# Altium PCB SONDE_2.PcbDoc (part 5 of 10)
Units mil, origin at the board's own origin, x right, y up, seen from the top; angles counter-clockwise.
Board outline 10236.22 x 6701.71 mil, 4 copper layers (Top Layer, GND, Internal Plane 2, Bottom Layer), stack 30.9 mil thick; 1794 components, 936 nets, 4747 pads, 493 vias.
Unrouted connection lines stored in the file: 1122.
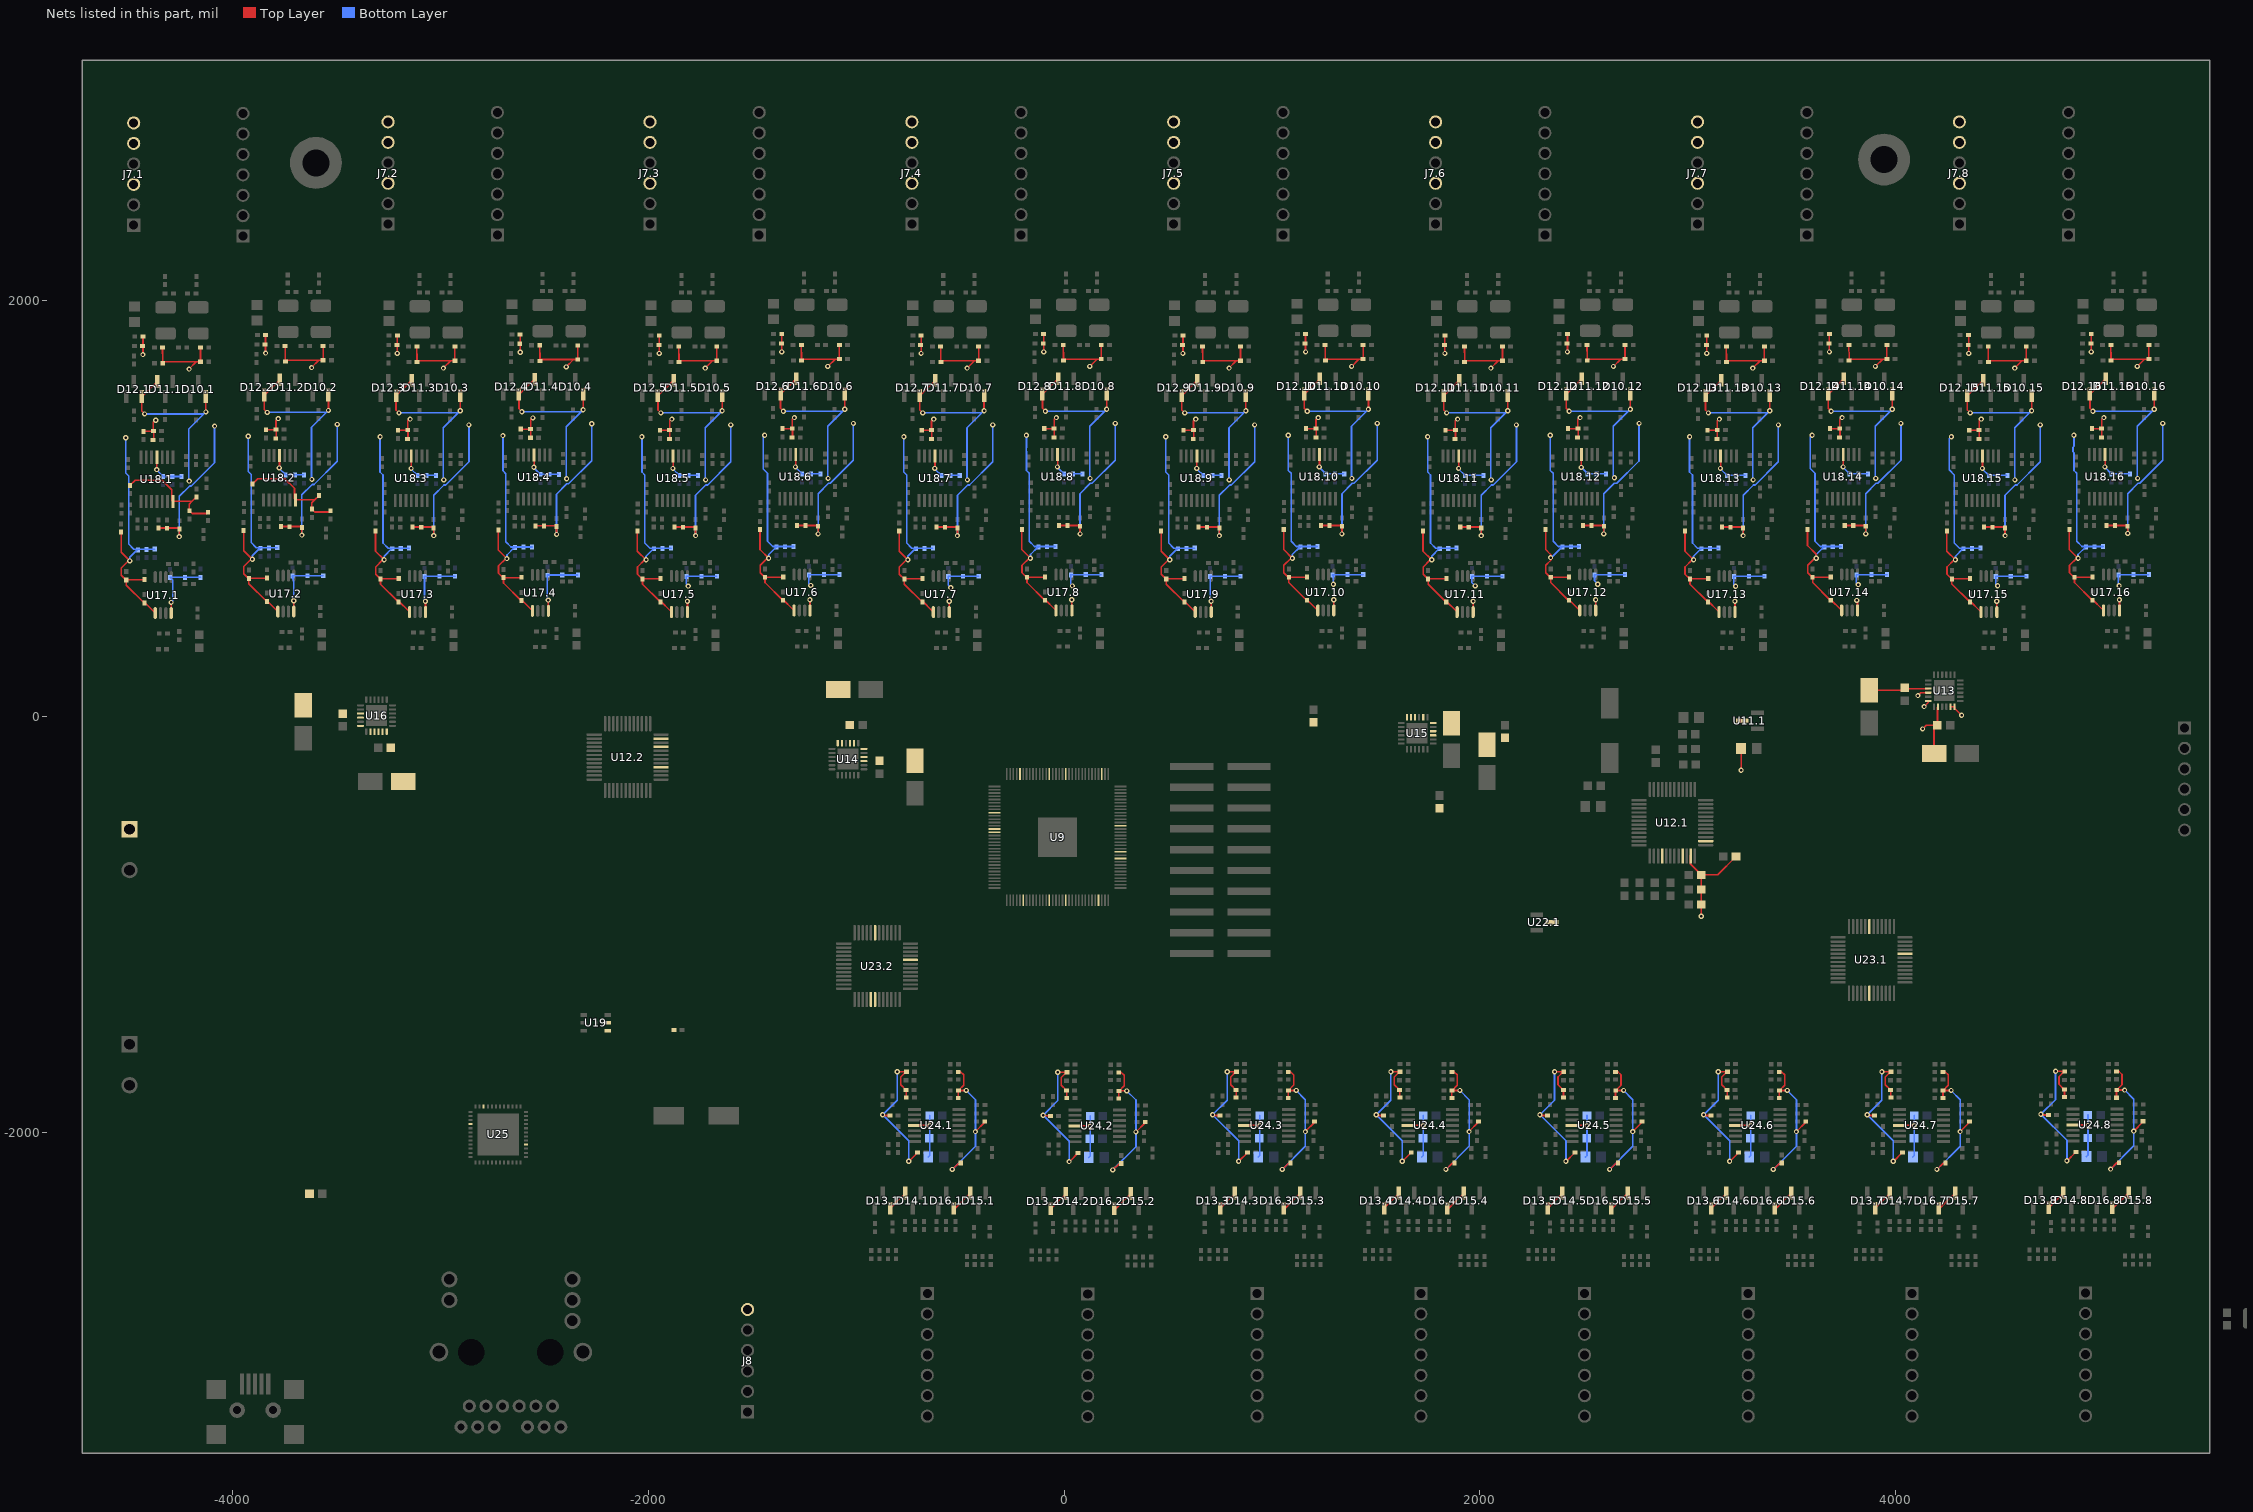
[diagram p7: the nets of this part, all layers, seen from the top]

## Via types
v1: diameter 25, hole 12, Top Layer to Bottom Layer, 493 vias

## Nets (pads, with @x,y where several pads share a name; then routed paths per layer and width w, separated by ;. In a path a pad name is that pad's centre, name@x,y a point inside that pad or via, vN(x,y) a via of type N, cw(c..) or ccw(c..) an arc to the next point about the centre after c; other vN are vias at no path point) (continued)
+2V5: C11.1 C13.2 C63.1.2 C63.2.2 C63.3.2 C63.4.2 C63.5.2 C63.6.2 C63.7.2 C63.8.2 C63.9.2 C63.10.2 C63.11.2 C63.12.2 C63.13.2 C63.14.2 C63.15.2 C63.16.2 C65.1.2 C65.2.2 C65.3.2 C65.4.2 C65.5.2 C65.6.2 C65.7.2 C65.8.2 C65.9.2 C65.10.2 C65.11.2 C65.12.2 C65.13.2 C65.14.2 C65.15.2 C65.16.2 C73.1.1 C73.2.1 C73.3.1 C73.4.1 C73.5.1 C73.6.1 C73.7.1 C73.8.1 C73.9.1 C73.10.1 C73.11.1 C73.12.1 C73.13.1 C73.14.1 C73.15.1 C73.16.1 C74.1.2 C74.2.2 C74.3.2 C74.4.2 C74.5.2 C74.6.2 C74.7.2 C74.8.2 C74.9.2 C74.10.2 C74.11.2 C74.12.2 C74.13.2 C74.14.2 C74.15.2 C74.16.2 C76.1.1 C76.2.1 C76.3.1 C76.4.1 C76.5.1 C76.6.1 C76.7.1 C76.8.1 C76.9.1 C76.10.1 C76.11.1 C76.12.1 C76.13.1 C76.14.1 C76.15.1 C76.16.1 C77.1.1 C77.2.1 C77.3.1 C77.4.1 C77.5.1 C77.6.1 C77.7.1 C77.8.1 C77.9.1 C77.10.1 C77.11.1 C77.12.1 C77.13.1 C77.14.1 C77.15.1 C77.16.1 C78.1.1 C78.2.1 C78.3.1 C78.4.1 C78.5.1 C78.6.1 C78.7.1 C78.8.1 C78.9.1 C78.10.1 C78.11.1 C78.12.1 C78.13.1 C78.14.1 C78.15.1 C78.16.1 C81.1.1 C81.2.1 C81.3.1 C81.4.1 C81.5.1 C81.6.1 C81.7.1 C81.8.1 C81.9.1 C81.10.1 C81.11.1 C81.12.1 C81.13.1 C81.14.1 C81.15.1 C81.16.1 C84.1.2 C84.2.2 C84.3.2 C84.4.2 C84.5.2 C84.6.2 C84.7.2 C84.8.2 C84.9.2 C84.10.2 C84.11.2 C84.12.2 C84.13.2 C84.14.2 C84.15.2 C84.16.2 C140.1.2 C140.2.2 C140.3.2 C140.4.2 C140.5.2 C140.6.2 C140.7.2 C140.8.2 C147.1.2 C147.2.2 C147.3.2 C147.4.2 C147.5.2 C147.6.2 C147.7.2 C147.8.2 R34.1.1 R34.2.1 R34.3.1 R34.4.1 R34.5.1 R34.6.1 R34.7.1 R34.8.1 R34.9.1 R34.10.1 R34.11.1 R34.12.1 R34.13.1 R34.14.1 R34.15.1 R34.16.1 R38.1.2 R38.2.2 R38.3.2 R38.4.2 R38.5.2 R38.6.2 R38.7.2 R38.8.2 R38.9.2 R38.10.2 R38.11.2 R38.12.2 R38.13.2 R38.14.2 R38.15.2 R38.16.2 R41.1.1 R41.2.1 R41.3.1 R41.4.1 R41.5.1 R41.6.1 R41.7.1 R41.8.1 R41.9.1 R41.10.1 R41.11.1 R41.12.1 R41.13.1 R41.14.1 R41.15.1 R41.16.1 R42.1.1 R42.2.1 R42.3.1 R42.4.1 R42.5.1 R42.6.1 R42.7.1 R42.8.1 R42.9.1 R42.10.1 R42.11.1 R42.12.1 R42.13.1 R42.14.1 R42.15.1 R42.16.1 R48.1.2 R48.2.2 R48.3.2 R48.4.2 R48.5.2 R48.6.2 R48.7.2 R48.8.2 R48.9.2 R48.10.2 R48.11.2 R48.12.2 R48.13.2 R48.14.2 R48.15.2 R48.16.2 R49.1.2 R49.2.2 R49.3.2 R49.4.2 R49.5.2 R49.6.2 R49.7.2 R49.8.2 R49.9.2 R49.10.2 R49.11.2 R49.12.2 R49.13.2 R49.14.2 R49.15.2 R49.16.2 R55.1.1 R55.2.1 R55.3.1 R55.4.1 R55.5.1 R55.6.1 R55.7.1 R55.8.1 R55.9.1 R55.10.1 R55.11.1 R55.12.1 R55.13.1 R55.14.1 R55.15.1 R55.16.1 R56.1.2 R56.2.2 R56.3.2 R56.4.2 R56.5.2 R56.6.2 R56.7.2 R56.8.2 R56.9.2 R56.10.2 R56.11.2 R56.12.2 R56.13.2 R56.14.2 R56.15.2 R56.16.2 R59.1.2 R59.2.2 R59.3.2 R59.4.2 R59.5.2 R59.6.2 R59.7.2 R59.8.2 R59.9.2 R59.10.2 R59.11.2 R59.12.2 R59.13.2 R59.14.2 R59.15.2 R59.16.2 R62.1.1 R62.2.1 R62.3.1 R62.4.1 R62.5.1 R62.6.1 R62.7.1 R62.8.1 R62.9.1 R62.10.1 R62.11.1 R62.12.1 R62.13.1 R62.14.1 R62.15.1 R62.16.1 R84.1.2 R84.2.2 R84.3.2 R84.4.2 R84.5.2 R84.6.2 R84.7.2 R84.8.2 R88.1.1 R88.2.1 R88.3.1 R88.4.1 R88.5.1 R88.6.1 R88.7.1 R88.8.1 R89.1.1 R89.2.1 R89.3.1 R89.4.1 R89.5.1 R89.6.1 R89.7.1 R89.8.1 R94.1.2 R94.2.2 R94.3.2 R94.4.2 R94.5.2 R94.6.2 R94.7.2 R94.8.2 R98.1.2 R98.2.2 R98.3.2 R98.4.2 R98.5.2 R98.6.2 R98.7.2 R98.8.2 R102.1.1 R102.2.1 R102.3.1 R102.4.1 R102.5.1 R102.6.1 R102.7.1 R102.8.1 R103.1.1 R103.2.1 R103.3.1 R103.4.1 R103.5.1 R103.6.1 R103.7.1 R103.8.1 R108.1.2 R108.2.2 R108.3.2 R108.4.2 R108.5.2 R108.6.2 R108.7.2 R108.8.2 R129.2 R131.2 R132.2 R134.2 TP11.1 TP11.2 U5.1 U17.1.5 U17.2.5 U17.3.5 U17.4.5 U17.5.5 U17.6.5 U17.7.5 U17.8.5 U17.9.5 U17.10.5 U17.11.5 U17.12.5 U17.13.5 U17.14.5 U17.15.5 U17.16.5 | length 55214.1
  Top Layer w8: R41.1.1@-4536.55,887.35 -4536.55,791 v1(-4494.91,749.36) -4501.37,749.36 -4535.84,714.89 -4535.84,679.67 -4514.08,657.91 R34.1.1@-4512,657.91 ; v1(-4431.45,1741.76) C84.1.2@-4431.45,1828.03 ; R42.1.1@-4429.03,554.72 U17.1.5@-4372.41,498.1 ; R55.1.1@-4428.55,1372.46 -4382.55,1372.46 R48.1.2@-4381.24,1373.78 ; R42.1.1@-4424.84,547.23 -4426.92,547.23 -4512,632.31 R34.1.1@-4512,657.91 ; C63.1.2@-4424.55,659.72 -4426.36,657.91 R34.1.1@-4512,657.91 ; C73.1.1@-4380.24,1332.78 -4380.24,1372.78 R48.1.2@-4381.24,1373.78 ; v1(-4370.44,1426.03) -4373.3,1426.03 -4381.24,1418.09 R48.1.2@-4381.24,1373.78 ; R62.1.1@-4357.55,907.03 R56.1.2@-4260.55,907.03 ; C74.1.2@-4337.36,1776.03 -4336.43,1708.55 -4337.1,1709.21 R49.1.2@-4336.31,1699.91 -4329.19,1707.03 -4174.88,1707.03 ; v1(-4256.55,866.03) R56.1.2@-4256.55,903.03 ; v1(-4210,1671.91) -4174.88,1707.03 ; C65.1.2@-4154.53,1775.04 R38.1.2@-4154.53,1707.03 -4174.88,1707.03 ; R41.2.1@-3946.88,894.82 -3946.88,798.48 v1(-3905.24,756.84) -3911.7,756.84 -3946.17,722.37 -3946.17,687.15 -3924.41,665.39 R34.2.1@-3922.33,665.39 ; v1(-3841.78,1749.23) C84.2.2@-3841.78,1835.51 ; R42.2.1@-3839.35,562.2 U17.2.5@-3782.74,505.58 ; R55.2.1@-3838.88,1379.94 -3792.88,1379.94 R48.2.2@-3791.57,1381.25 ; R42.2.1@-3835.16,554.7 -3837.25,554.7 -3922.33,639.78 R34.2.1@-3922.33,665.39 ; C63.2.2@-3834.88,667.2 -3836.69,665.39 R34.2.1@-3922.33,665.39 ; C73.2.1@-3790.57,1340.25 -3790.57,1380.25 R48.2.2@-3791.57,1381.25 ; v1(-3780.77,1433.51) -3783.63,1433.51 -3791.57,1425.57 R48.2.2@-3791.57,1381.25 ; R62.2.1@-3767.88,914.51 R56.2.2@-3670.88,914.51 ; C74.2.2@-3747.69,1783.51 -3746.76,1716.02 -3747.43,1716.69 R49.2.2@-3746.64,1707.39 -3739.52,1714.51 -3585.21,1714.51 ; v1(-3666.88,873.51) R56.2.2@-3666.88,910.51 ; v1(-3620.33,1679.39) -3585.21,1714.51 ; C65.2.2@-3564.85,1782.52 R38.2.2@-3564.85,1714.51 -3585.21,1714.51 ; R41.3.1@-3312.97,892.49 -3312.97,796.14 v1(-3271.33,754.5) -3277.79,754.5 -3312.26,720.03 -3312.26,684.81 -3290.5,663.05 R34.3.1@-3288.42,663.05 ; v1(-3207.87,1746.9) C84.3.2@-3207.87,1833.17 ; R42.3.1@-3205.44,559.86 U17.3.5@-3148.83,503.24 ; R55.3.1@-3204.97,1377.6 -3158.97,1377.6 R48.3.2@-3157.66,1378.92 ; R42.3.1@-3201.25,552.36 -3203.34,552.36 -3288.42,637.45 R34.3.1@-3288.42,663.05 ; C63.3.2@-3200.97,664.86 -3202.78,663.05 R34.3.1@-3288.42,663.05 ; C73.3.1@-3156.66,1337.92 -3156.66,1377.92 R48.3.2@-3157.66,1378.92 ; v1(-3146.86,1431.17) -3149.72,1431.17 -3157.66,1423.23 R48.3.2@-3157.66,1378.92 ; R62.3.1@-3133.97,912.17 R56.3.2@-3036.97,912.17 ; C74.3.2@-3113.78,1781.17 -3112.85,1713.69 -3113.52,1714.35 R49.3.2@-3112.73,1705.05 -3105.61,1712.17 -2951.3,1712.17 ; v1(-3032.97,871.17) R56.3.2@-3032.97,908.17 ; v1(-2986.42,1677.05) -2951.3,1712.17 ; C65.3.2@-2930.94,1780.18 R38.3.2@-2930.94,1712.17 -2951.3,1712.17 ; R41.4.1@-2721.94,898.08 -2721.94,801.73 v1(-2680.3,760.09) -2686.76,760.09 -2721.23,725.62 -2721.23,690.4 -2699.47,668.64 R34.4.1@-2697.39,668.64 ; v1(-2616.83,1752.49) C84.4.2@-2616.83,1838.76 ; R42.4.1@-2614.41,565.45 U17.4.5@-2557.8,508.83 ; R55.4.1@-2613.94,1383.19 -2567.94,1383.19 R48.4.2@-2566.63,1384.51 ; R42.4.1@-2610.22,557.96 -2612.31,557.96 -2697.39,643.04 R34.4.1@-2697.39,668.64 ; C63.4.2@-2609.94,670.45 -2611.75,668.64 R34.4.1@-2697.39,668.64 ; C73.4.1@-2565.63,1343.51 -2565.63,1383.51 R48.4.2@-2566.63,1384.51 ; v1(-2555.83,1436.76) -2558.68,1436.76 -2566.63,1428.82 R48.4.2@-2566.63,1384.51 ; R62.4.1@-2542.94,917.76 R56.4.2@-2445.94,917.76 ; C74.4.2@-2522.75,1786.76 -2521.82,1719.28 -2522.48,1719.94 R49.4.2@-2521.7,1710.64 -2514.58,1717.76 -2360.26,1717.76 ; v1(-2441.94,876.76) R56.4.2@-2441.94,913.76 ; v1(-2395.39,1682.64) -2360.26,1717.76 ; C65.4.2@-2339.91,1785.77 R38.4.2@-2339.91,1717.76 -2360.26,1717.76 ; R41.5.1@-2053.13,892.49 -2053.13,796.14 v1(-2011.49,754.5) -2017.95,754.5 -2052.42,720.03 -2052.42,684.81 -2030.66,663.05 R34.5.1@-2028.58,663.05 ; v1(-1948.02,1746.9) C84.5.2@-1948.02,1833.17 ; R42.5.1@-1945.6,559.86 U17.5.5@-1888.99,503.24 ; R55.5.1@-1945.13,1377.6 -1899.13,1377.6 R48.5.2@-1897.82,1378.92 ; R42.5.1@-1941.41,552.36 -1943.49,552.36 -2028.58,637.45 R34.5.1@-2028.58,663.05 ; C63.5.2@-1941.13,664.86 -1942.94,663.05 R34.5.1@-2028.58,663.05 ; C73.5.1@-1896.82,1337.92 -1896.82,1377.92 R48.5.2@-1897.82,1378.92 ; v1(-1887.02,1431.17) -1889.87,1431.17 -1897.82,1423.23 R48.5.2@-1897.82,1378.92 ; R62.5.1@-1874.13,912.17 R56.5.2@-1777.13,912.17 ; C74.5.2@-1853.94,1781.17 -1853.01,1713.69 -1853.67,1714.35 R49.5.2@-1852.89,1705.05 -1845.77,1712.17 -1691.45,1712.17 ; v1(-1773.13,871.17) R56.5.2@-1773.13,908.17 ; v1(-1726.58,1677.05) -1691.45,1712.17 ; C65.5.2@-1671.1,1780.18 R38.5.2@-1671.1,1712.17 -1691.45,1712.17 ; R41.6.1@-1463.46,899.96 -1463.46,803.61 v1(-1421.82,761.97) -1428.28,761.97 -1462.75,727.51 -1462.75,692.29 -1440.99,670.53 R34.6.1@-1438.9,670.53 ; v1(-1358.35,1754.37) C84.6.2@-1358.35,1840.65 ; R42.6.1@-1355.93,567.33 U17.6.5@-1299.32,510.72 ; R55.6.1@-1355.46,1385.08 -1309.46,1385.08 R48.6.2@-1308.14,1386.39 ; R42.6.1@-1351.74,559.84 -1353.82,559.84 -1438.9,644.92 R34.6.1@-1438.9,670.53 ; C63.6.2@-1351.46,672.33 -1353.26,670.53 R34.6.1@-1438.9,670.53 ; C73.6.1@-1307.14,1345.39 -1307.14,1385.39 R48.6.2@-1308.14,1386.39 ; v1(-1297.35,1438.65) -1300.2,1438.65 -1308.14,1430.71 R48.6.2@-1308.14,1386.39 ; R62.6.1@-1284.46,919.65 R56.6.2@-1187.46,919.65 ; C74.6.2@-1264.26,1788.65 -1263.34,1721.16 -1264,1721.83 R49.6.2@-1263.22,1712.53 -1256.1,1719.65 -1101.78,1719.65 ; v1(-1183.46,878.65) R56.6.2@-1183.46,915.65 ; v1(-1136.9,1684.53) -1101.78,1719.65 ; C65.6.2@-1081.43,1787.66 R38.6.2@-1081.43,1719.65 -1101.78,1719.65 ; v1(-873.39,-1915.28) -870.21,-1918.46 R84.1.2@-837.76,-1918.46 ; v1(-803.08,-1708.46) R88.1.1@-761.22,-1708.46 ; R41.7.1@-793.29,892.49 -793.29,796.14 v1(-751.65,754.5) -758.11,754.5 -792.58,720.03 -792.58,684.81 -770.82,663.05 R34.7.1@-768.73,663.05 ; R89.1.1@-759.76,-1832.46 -759.76,-1797.46 C140.1.2@-760.76,-1796.46 -786.57,-1770.65 -786.57,-1733.82 R88.1.1@-761.22,-1708.46 ; R88.1.1@-758.76,-1708.46 R88.1.1@-761.22,-1708.46 ; v1(-748.08,-2138.46) -746.79,-2138.46 R94.1.2@-704.76,-2096.43 ; v1(-688.18,1746.9) C84.7.2@-688.18,1833.17 ; R42.7.1@-685.76,559.86 U17.7.5@-629.14,503.24 ; R55.7.1@-685.29,1377.6 -639.29,1377.6 R48.7.2@-637.97,1378.92 ; R42.7.1@-681.57,552.36 -683.65,552.36 -768.73,637.45 R34.7.1@-768.73,663.05 ; C63.7.2@-681.29,664.86 -683.09,663.05 R34.7.1@-768.73,663.05 ; C73.7.1@-636.97,1337.92 -636.97,1377.92 R48.7.2@-637.97,1378.92 ; v1(-627.18,1431.17) -630.03,1431.17 -637.97,1423.23 R48.7.2@-637.97,1378.92 ; R62.7.1@-614.29,912.17 R56.7.2@-517.29,912.17 ; C74.7.2@-594.09,1781.17 -593.17,1713.69 -593.83,1714.35 R49.7.2@-593.05,1705.05 -585.93,1712.17 -431.61,1712.17 ; v1(-538.08,-2178.46) -507.76,-2148.15 R108.1.2@-497.51,-2148.15 ; v1(-513.29,871.17) R56.7.2@-513.29,908.17 ; R103.1.1@-509.39,-1835.46 -509.39,-1799.46 C147.1.2@-508.39,-1798.46 ; R102.1.1@-509.39,-1709.46 -497.51,-1709.46 -483.58,-1723.39 -483.58,-1773.65 C147.1.2@-508.39,-1798.46 ; v1(-470.61,-1798.46) C147.1.2@-508.39,-1798.46 ; v1(-466.73,1677.05) -431.61,1712.17 ; v1(-426.73,-1995.98) -382.01,-1951.26 R98.1.2@-382.01,-1948.46 ; C65.7.2@-411.26,1780.18 R38.7.2@-411.26,1712.17 -431.61,1712.17 ; R41.8.1@-203.62,899.96 -203.62,803.61 v1(-161.98,761.97) -168.44,761.97 -202.9,727.51 -202.9,692.29 -181.14,670.53 R34.8.1@-179.06,670.53 ; v1(-101.31,-1917.36) -98.13,-1920.54 R84.2.2@-65.69,-1920.54 ; v1(-98.51,1754.37) C84.8.2@-98.51,1840.65 ; R42.8.1@-96.09,567.33 U17.8.5@-39.47,510.72 ; R55.8.1@-95.62,1385.08 -49.62,1385.08 R48.8.2@-48.3,1386.39 ; R42.8.1@-91.9,559.84 -93.98,559.84 -179.06,644.92 R34.8.1@-179.06,670.53 ; C63.8.2@-91.62,672.33 -93.42,670.53 R34.8.1@-179.06,670.53 ; C73.8.1@-47.3,1345.39 -47.3,1385.39 R48.8.2@-48.3,1386.39 ; v1(-37.5,1438.65) -40.36,1438.65 -48.3,1430.71 R48.8.2@-48.3,1386.39 ; v1(-31,-1710.54) R88.2.1@10.86,-1710.54 ; R62.8.1@-24.62,919.65 R56.8.2@72.38,919.65 ; C74.8.2@-4.42,1788.65 -3.49,1721.16 -4.16,1721.83 R49.8.2@-3.38,1712.53 3.75,1719.65 158.06,1719.65 ; R89.2.1@12.32,-1834.54 12.32,-1799.54 C140.2.2@11.31,-1798.54 -14.5,-1772.73 -14.5,-1735.9 R88.2.1@10.86,-1710.54 ; R88.2.1@13.32,-1710.54 R88.2.1@10.86,-1710.54 ; v1(24,-2140.54) 25.28,-2140.54 R94.2.2@67.31,-2098.51 ; v1(76.38,878.65) R56.8.2@76.38,915.65 ; v1(122.94,1684.53) 158.06,1719.65 ; C65.8.2@178.41,1787.66 R38.8.2@178.41,1719.65 158.06,1719.65 ; v1(234,-2180.54) 264.31,-2150.23 R108.2.2@274.57,-2150.23 ; R103.2.1@262.69,-1837.54 262.69,-1801.54 C147.2.2@263.69,-1800.54 ; R102.2.1@262.69,-1711.54 274.57,-1711.54 288.5,-1725.47 288.5,-1775.73 C147.2.2@263.69,-1800.54 ; v1(301.47,-1800.54) C147.2.2@263.69,-1800.54 ; v1(345.34,-1998.06) 390.07,-1953.34 R98.2.2@390.07,-1950.54 ; R41.9.1@466.56,892.49 466.56,796.14 v1(508.19,754.5) 501.74,754.5 467.27,720.03 467.27,684.81 489.03,663.05 R34.9.1@491.11,663.05 ; v1(571.66,1746.9) C84.9.2@571.66,1833.17 ; R42.9.1@574.08,559.86 U17.9.5@630.7,503.24 ; R55.9.1@574.56,1377.6 620.56,1377.6 R48.9.2@621.87,1378.92 ; R42.9.1@578.27,552.36 576.19,552.36 491.11,637.45 R34.9.1@491.11,663.05 ; C63.9.2@578.56,664.86 576.75,663.05 R34.9.1@491.11,663.05 ; C73.9.1@622.87,1337.92 622.87,1377.92 R48.9.2@621.87,1378.92 ; v1(632.67,1431.17) 629.81,1431.17 621.87,1423.23 R48.9.2@621.87,1378.92 ; R62.9.1@645.56,912.17 R56.9.2@742.56,912.17 ; C74.9.2@665.75,1781.17 666.68,1713.69 666.01,1714.35 R49.9.2@666.79,1705.05 673.92,1712.17 828.23,1712.17 ; v1(713.86,-1915.28) 717.04,-1918.46 R84.3.2@749.49,-1918.46 ; v1(746.56,871.17) R56.9.2@746.56,908.17 ; v1(784.18,-1708.46) R88.3.1@826.04,-1708.46 ; v1(793.11,1677.05) 828.23,1712.17 ; R89.3.1@827.49,-1832.46 827.49,-1797.46 C140.3.2@826.49,-1796.46 800.68,-1770.65 800.68,-1733.82 R88.3.1@826.04,-1708.46 ; R88.3.1@828.49,-1708.46 R88.3.1@826.04,-1708.46 ; v1(839.18,-2138.46) 840.46,-2138.46 R94.3.2@882.49,-2096.43 ; C65.9.2@848.58,1780.18 R38.9.2@848.58,1712.17 828.23,1712.17 ; v1(1049.18,-2178.46) 1079.49,-2148.15 R108.3.2@1089.74,-2148.15 ; R41.10.1@1056.23,899.96 1056.23,803.61 v1(1097.87,761.97) 1091.41,761.97 1056.94,727.51 1056.94,692.29 1078.7,670.53 R34.10.1@1080.78,670.53 ; R103.3.1@1077.86,-1835.46 1077.86,-1799.46 C147.3.2@1078.86,-1798.46 ; R102.3.1@1077.86,-1709.46 1089.74,-1709.46 1103.67,-1723.39 1103.67,-1773.65 C147.3.2@1078.86,-1798.46 ; v1(1116.64,-1798.46) C147.3.2@1078.86,-1798.46 ; v1(1160.52,-1995.98) 1205.24,-1951.26 R98.3.2@1205.24,-1948.46 ; v1(1161.33,1754.37) C84.10.2@1161.33,1840.65 ; R42.10.1@1163.76,567.33 U17.10.5@1220.37,510.72 ; R55.10.1@1164.23,1385.08 1210.23,1385.08 R48.10.2@1211.54,1386.39 ; R42.10.1@1167.95,559.84 1165.86,559.84 1080.78,644.92 R34.10.1@1080.78,670.53 ; C63.10.2@1168.23,672.33 1166.42,670.53 R34.10.1@1080.78,670.53 ; C73.10.1@1212.54,1345.39 1212.54,1385.39 R48.10.2@1211.54,1386.39 ; v1(1222.34,1438.65) 1219.48,1438.65 1211.54,1430.71 R48.10.2@1211.54,1386.39 ; R62.10.1@1235.23,919.65 R56.10.2@1332.23,919.65 ; C74.10.2@1255.42,1788.65 1256.35,1721.16 1255.68,1721.83 R49.10.2@1256.47,1712.53 1263.59,1719.65 1417.9,1719.65 ; v1(1336.23,878.65) R56.10.2@1336.23,915.65 ; v1(1382.78,1684.53) 1417.9,1719.65 ; C65.10.2@1438.25,1787.66 R38.10.2@1438.25,1719.65 1417.9,1719.65 ; v1(1501.26,-1915.28) 1504.44,-1918.46 R84.4.2@1536.89,-1918.46 ; v1(1571.58,-1708.46) R88.4.1@1613.44,-1708.46 ; R89.4.1@1614.89,-1832.46 1614.89,-1797.46 C140.4.2@1613.89,-1796.46 1588.08,-1770.65 1588.08,-1733.82 R88.4.1@1613.44,-1708.46 ; R88.4.1@1615.89,-1708.46 R88.4.1@1613.44,-1708.46 ; v1(1626.58,-2138.46) 1627.86,-2138.46 R94.4.2@1669.89,-2096.43 ; R41.11.1@1726.4,892.49 1726.4,796.14 v1(1768.04,754.5) 1761.58,754.5 1727.11,720.03 1727.11,684.81 1748.87,663.05 R34.11.1@1750.95,663.05 ; v1(1831.5,1746.9) C84.11.2@1831.5,1833.17 ; R42.11.1@1833.93,559.86 U17.11.5@1890.54,503.24 ; R55.11.1@1834.4,1377.6 1880.4,1377.6 R48.11.2@1881.71,1378.92 ; v1(1836.58,-2178.46) 1866.89,-2148.15 R108.4.2@1877.14,-2148.15 ; R42.11.1@1838.12,552.36 1836.03,552.36 1750.95,637.45 R34.11.1@1750.95,663.05 ; C63.11.2@1838.4,664.86 1836.59,663.05 R34.11.1@1750.95,663.05 ; R103.4.1@1865.26,-1835.46 1865.26,-1799.46 C147.4.2@1866.26,-1798.46 ; R102.4.1@1865.26,-1709.46 1877.14,-1709.46 1891.07,-1723.39 1891.07,-1773.65 C147.4.2@1866.26,-1798.46 ; C73.11.1@1882.71,1337.92 1882.71,1377.92 R48.11.2@1881.71,1378.92 ; v1(1892.51,1431.17) 1889.65,1431.17 1881.71,1423.23 R48.11.2@1881.71,1378.92 ; v1(1904.04,-1798.46) C147.4.2@1866.26,-1798.46 ; R62.11.1@1905.4,912.17 R56.11.2@2002.4,912.17 ; C74.11.2@1925.59,1781.17 1926.52,1713.69 1925.85,1714.35 R49.11.2@1926.64,1705.05 1933.76,1712.17 2088.07,1712.17 ; v1(1947.92,-1995.98) 1992.64,-1951.26 R98.4.2@1992.64,-1948.46 ; v1(2006.4,871.17) R56.11.2@2006.4,908.17 ; v1(2052.95,1677.05) 2088.07,1712.17 ; C65.11.2@2108.43,1780.18 R38.11.2@2108.43,1712.17 2088.07,1712.17 ; v1(2288.66,-1915.28) 2291.85,-1918.46 R84.5.2@2324.29,-1918.46 ; R41.12.1@2316.07,899.96 2316.07,803.61 2340,779.68 v1(2340,765) 2348.22,765 2340,756.78 2340,750.72 2316.78,727.51 2316.78,692.29 2338.54,670.53 R34.12.1@2340.62,670.53 ; v1(2358.98,-1708.46) R88.5.1@2400.84,-1708.46 ; R89.5.1@2402.29,-1832.46 2402.29,-1797.46 C140.5.2@2401.29,-1796.46 2375.48,-1770.65 2375.48,-1733.82 R88.5.1@2400.84,-1708.46 ; R88.5.1@2403.29,-1708.46 R88.5.1@2400.84,-1708.46 ; v1(2413.98,-2138.46) 2415.26,-2138.46 R94.5.2@2457.29,-2096.43 ; v1(2421.18,1754.37) C84.12.2@2421.18,1840.65 ; R42.12.1@2423.6,567.33 U17.12.5@2480.21,510.72 ; R55.12.1@2424.07,1385.08 2470.07,1385.08 R48.12.2@2471.38,1386.39 ; R42.12.1@2427.79,559.84 2425.71,559.84 2340.62,644.92 R34.12.1@2340.62,670.53 ; C63.12.2@2428.07,672.33 2426.26,670.53 R34.12.1@2340.62,670.53 ; C73.12.1@2472.38,1345.39 2472.38,1385.39 R48.12.2@2471.38,1386.39 ; v1(2482.18,1438.65) 2479.33,1438.65 2471.38,1430.71 R48.12.2@2471.38,1386.39 ; R62.12.1@2495.07,919.65 R56.12.2@2592.07,919.65 ; C74.12.2@2515.26,1788.65 2516.19,1721.16 2515.53,1721.83 R49.12.2@2516.31,1712.53 2523.43,1719.65 2677.75,1719.65 ; v1(2596.07,878.65) R56.12.2@2596.07,915.65 ; v1(2623.98,-2178.46) 2654.29,-2148.15 R108.5.2@2664.54,-2148.15 ; v1(2642.62,1684.53) 2677.75,1719.65 ; R103.5.1@2652.66,-1835.46 2652.66,-1799.46 C147.5.2@2653.66,-1798.46 ; R102.5.1@2652.66,-1709.46 2664.54,-1709.46 2678.48,-1723.39 2678.48,-1773.65 C147.5.2@2653.66,-1798.46 ; v1(2691.45,-1798.46) C147.5.2@2653.66,-1798.46 ; C65.12.2@2698.1,1787.66 R38.12.2@2698.1,1719.65 2677.75,1719.65 ; v1(2735.32,-1995.98) 2780.04,-1951.26 R98.5.2@2780.04,-1948.46 ; R41.13.1@2986.24,892.49 2986.24,796.14 v1(3027.88,754.5) 3021.42,754.5 2986.95,720.03 2986.95,684.81 3008.71,663.05 R34.13.1@3010.79,663.05 ; v1(3076.07,-1915.28) 3079.25,-1918.46 R84.6.2@3111.7,-1918.46 ; v1(3091.35,1746.9) C84.13.2@3091.35,1833.17 ; R42.13.1@3093.77,559.86 U17.13.5@3150.38,503.24 ; R55.13.1@3094.24,1377.6 3140.24,1377.6 R48.13.2@3141.55,1378.92 ; R42.13.1@3097.96,552.36 3095.88,552.36 3010.79,637.45 R34.13.1@3010.79,663.05 ; C63.13.2@3098.24,664.86 3096.43,663.05 R34.13.1@3010.79,663.05 ; C73.13.1@3142.55,1337.92 3142.55,1377.92 R48.13.2@3141.55,1378.92 ; v1(3146.38,-1708.46) R88.6.1@3188.24,-1708.46 ; v1(3152.35,1431.17) 3149.5,1431.17 3141.55,1423.23 R48.13.2@3141.55,1378.92 ; R62.13.1@3165.24,912.17 R56.13.2@3262.24,912.17 ; C74.13.2@3185.43,1781.17 3186.36,1713.69 3185.7,1714.35 R49.13.2@3186.48,1705.05 3193.6,1712.17 3347.92,1712.17 ; R89.6.1@3189.7,-1832.46 3189.7,-1797.46 C140.6.2@3188.7,-1796.46 3162.88,-1770.65 3162.88,-1733.82 R88.6.1@3188.24,-1708.46 ; R88.6.1@3190.7,-1708.46 R88.6.1@3188.24,-1708.46 ; v1(3201.38,-2138.46) 3202.66,-2138.46 R94.6.2@3244.7,-2096.43 ; v1(3266.24,871.17) R56.13.2@3266.24,908.17 ; v1(3312.79,1677.05) 3347.92,1712.17 ; C65.13.2@3368.27,1780.18 R38.13.2@3368.27,1712.17 3347.92,1712.17 ; v1(3411.38,-2178.46) 3441.7,-2148.15 R108.6.2@3451.95,-2148.15 ; R103.6.1@3440.07,-1835.46 3440.07,-1799.46 C147.6.2@3441.07,-1798.46 ; R102.6.1@3440.07,-1709.46 3451.95,-1709.46 3465.88,-1723.39 3465.88,-1773.65 C147.6.2@3441.07,-1798.46 ; v1(3478.85,-1798.46) C147.6.2@3441.07,-1798.46 ; v1(3522.72,-1995.98) 3567.45,-1951.26 R98.6.2@3567.45,-1948.46 ; R41.14.1@3575.91,899.96 3575.91,823.47 3617.55,781.83 v1(3617.55,761.97) 3611.09,761.97 3576.62,727.51 3576.62,692.29 3598.38,670.53 R34.14.1@3600.47,670.53 ; v1(3681.02,1754.37) C84.14.2@3681.02,1840.65 ; R42.14.1@3683.44,567.33 U17.14.5@3740.05,510.72 ; R55.14.1@3683.91,1385.08 3729.91,1385.08 R48.14.2@3731.23,1386.39 ; R42.14.1@3687.63,559.84 3685.55,559.84 3600.47,644.92 R34.14.1@3600.47,670.53 ; C63.14.2@3687.91,672.33 3686.11,670.53 R34.14.1@3600.47,670.53 ; C73.14.1@3732.23,1345.39 3732.23,1385.39 R48.14.2@3731.23,1386.39 ; v1(3742.02,1438.65) 3739.17,1438.65 3731.23,1430.71 R48.14.2@3731.23,1386.39 ; R62.14.1@3754.91,919.65 R56.14.2@3851.91,919.65 ; C74.14.2@3775.11,1788.65 3776.03,1721.16 3775.37,1721.83 R49.14.2@3776.15,1712.53 3783.27,1719.65 3937.59,1719.65 ; v1(3855.91,878.65) R56.14.2@3855.91,915.65 ; v1(3863.47,-1915.28) 3866.65,-1918.46 R84.7.2@3899.1,-1918.46 ; v1(3902.47,1684.53) 3937.59,1719.65 ; v1(3933.78,-1708.46) R88.7.1@3975.65,-1708.46 ; C65.14.2@3957.94,1787.66 R38.14.2@3957.94,1719.65 3937.59,1719.65 ; R89.7.1@3977.1,-1832.46 3977.1,-1797.46 C140.7.2@3976.1,-1796.46 3950.29,-1770.65 3950.29,-1733.82 R88.7.1@3975.65,-1708.46 ; R88.7.1@3978.1,-1708.46 R88.7.1@3975.65,-1708.46 ; v1(3988.78,-2138.46) 3990.07,-2138.46 R94.7.2@4032.1,-2096.43 ; v1(4198.78,-2178.46) 4229.1,-2148.15 R108.7.2@4239.35,-2148.15 ; R103.7.1@4227.47,-1835.46 4227.47,-1799.46 C147.7.2@4228.47,-1798.46 ; R102.7.1@4227.47,-1709.46 4239.35,-1709.46 4253.28,-1723.39 4253.28,-1773.65 C147.7.2@4228.47,-1798.46 ; R41.15.1@4246.08,892.49 4246.08,796.14 v1(4287.72,754.5) 4281.26,754.5 4246.79,720.03 4246.79,684.81 4268.55,663.05 R34.15.1@4270.64,663.05 ; v1(4266.25,-1798.46) C147.7.2@4228.47,-1798.46 ; v1(4310.13,-1995.98) 4354.85,-1951.26 R98.7.2@4354.85,-1948.46 ; v1(4351.19,1746.9) C84.15.2@4351.19,1833.17 ; R42.15.1@4353.61,559.86 U17.15.5@4410.23,503.24 ; R55.15.1@4354.08,1377.6 4400.08,1377.6 R48.15.2@4401.4,1378.92 ; R42.15.1@4357.8,552.36 4355.72,552.36 4270.64,637.45 R34.15.1@4270.64,663.05 ; C63.15.2@4358.08,664.86 4356.28,663.05 R34.15.1@4270.64,663.05 ; C73.15.1@4402.4,1337.92 4402.4,1377.92 R48.15.2@4401.4,1378.92 ; v1(4412.19,1431.17) 4409.34,1431.17 4401.4,1423.23 R48.15.2@4401.4,1378.92 ; R62.15.1@4425.08,912.17 R56.15.2@4522.08,912.17 ; C74.15.2@4445.28,1781.17 4446.2,1713.69 4445.54,1714.35 R49.15.2@4446.32,1705.05 4453.44,1712.17 4607.76,1712.17 ; v1(4526.08,871.17) R56.15.2@4526.08,908.17 ; v1(4572.64,1677.05) 4607.76,1712.17 ; C65.15.2@4628.11,1780.18 R38.15.2@4628.11,1712.17 4607.76,1712.17 ; v1(4698.69,-1913.2) 4701.87,-1916.38 R84.8.2@4734.31,-1916.38 ; v1(4769,-1706.38) R88.8.1@4810.86,-1706.38 ; R89.8.1@4812.32,-1830.38 4812.32,-1795.38 C140.8.2@4811.31,-1794.38 4785.5,-1768.57 4785.5,-1731.74 R88.8.1@4810.86,-1706.38 ; R88.8.1@4813.32,-1706.38 R88.8.1@4810.86,-1706.38 ; v1(4824,-2136.38) 4825.28,-2136.38 R94.8.2@4867.31,-2094.35 ; R41.16.1@4835.75,899.96 4835.75,803.61 v1(4877.39,761.97) 4870.93,761.97 4836.47,727.51 4836.47,692.29 4858.23,670.53 R34.16.1@4860.31,670.53 ; v1(4940.86,1754.37) C84.16.2@4940.86,1840.65 ; R42.16.1@4943.28,567.33 U17.16.5@4999.9,510.72 ; R55.16.1@4943.75,1385.08 4989.75,1385.08 R48.16.2@4991.07,1386.39 ; R42.16.1@4947.47,559.84 4945.39,559.84 4860.31,644.92 R34.16.1@4860.31,670.53 ; C63.16.2@4947.76,672.33 4945.95,670.53 R34.16.1@4860.31,670.53 ; C73.16.1@4992.07,1345.39 4992.07,1385.39 R48.16.2@4991.07,1386.39 ; v1(5001.87,1438.65) 4999.01,1438.65 4991.07,1430.71 R48.16.2@4991.07,1386.39 ; R62.16.1@5014.75,919.65 R56.16.2@5111.75,919.65 ; v1(5034,-2176.38) 5064.31,-2146.06 R108.8.2@5074.57,-2146.06 ; C74.16.2@5034.95,1788.65 5035.88,1721.16 5035.21,1721.83 R49.16.2@5035.99,1712.53 5043.12,1719.65 5197.43,1719.65 ; R103.8.1@5062.69,-1833.38 5062.69,-1797.38 C147.8.2@5063.69,-1796.38 ; R102.8.1@5062.69,-1707.38 5074.57,-1707.38 5088.5,-1721.31 5088.5,-1771.57 C147.8.2@5063.69,-1796.38 ; v1(5101.47,-1796.38) C147.8.2@5063.69,-1796.38 